# Altium PCB UmTRXv2.PcbDoc (part 24 of 25) (continued)
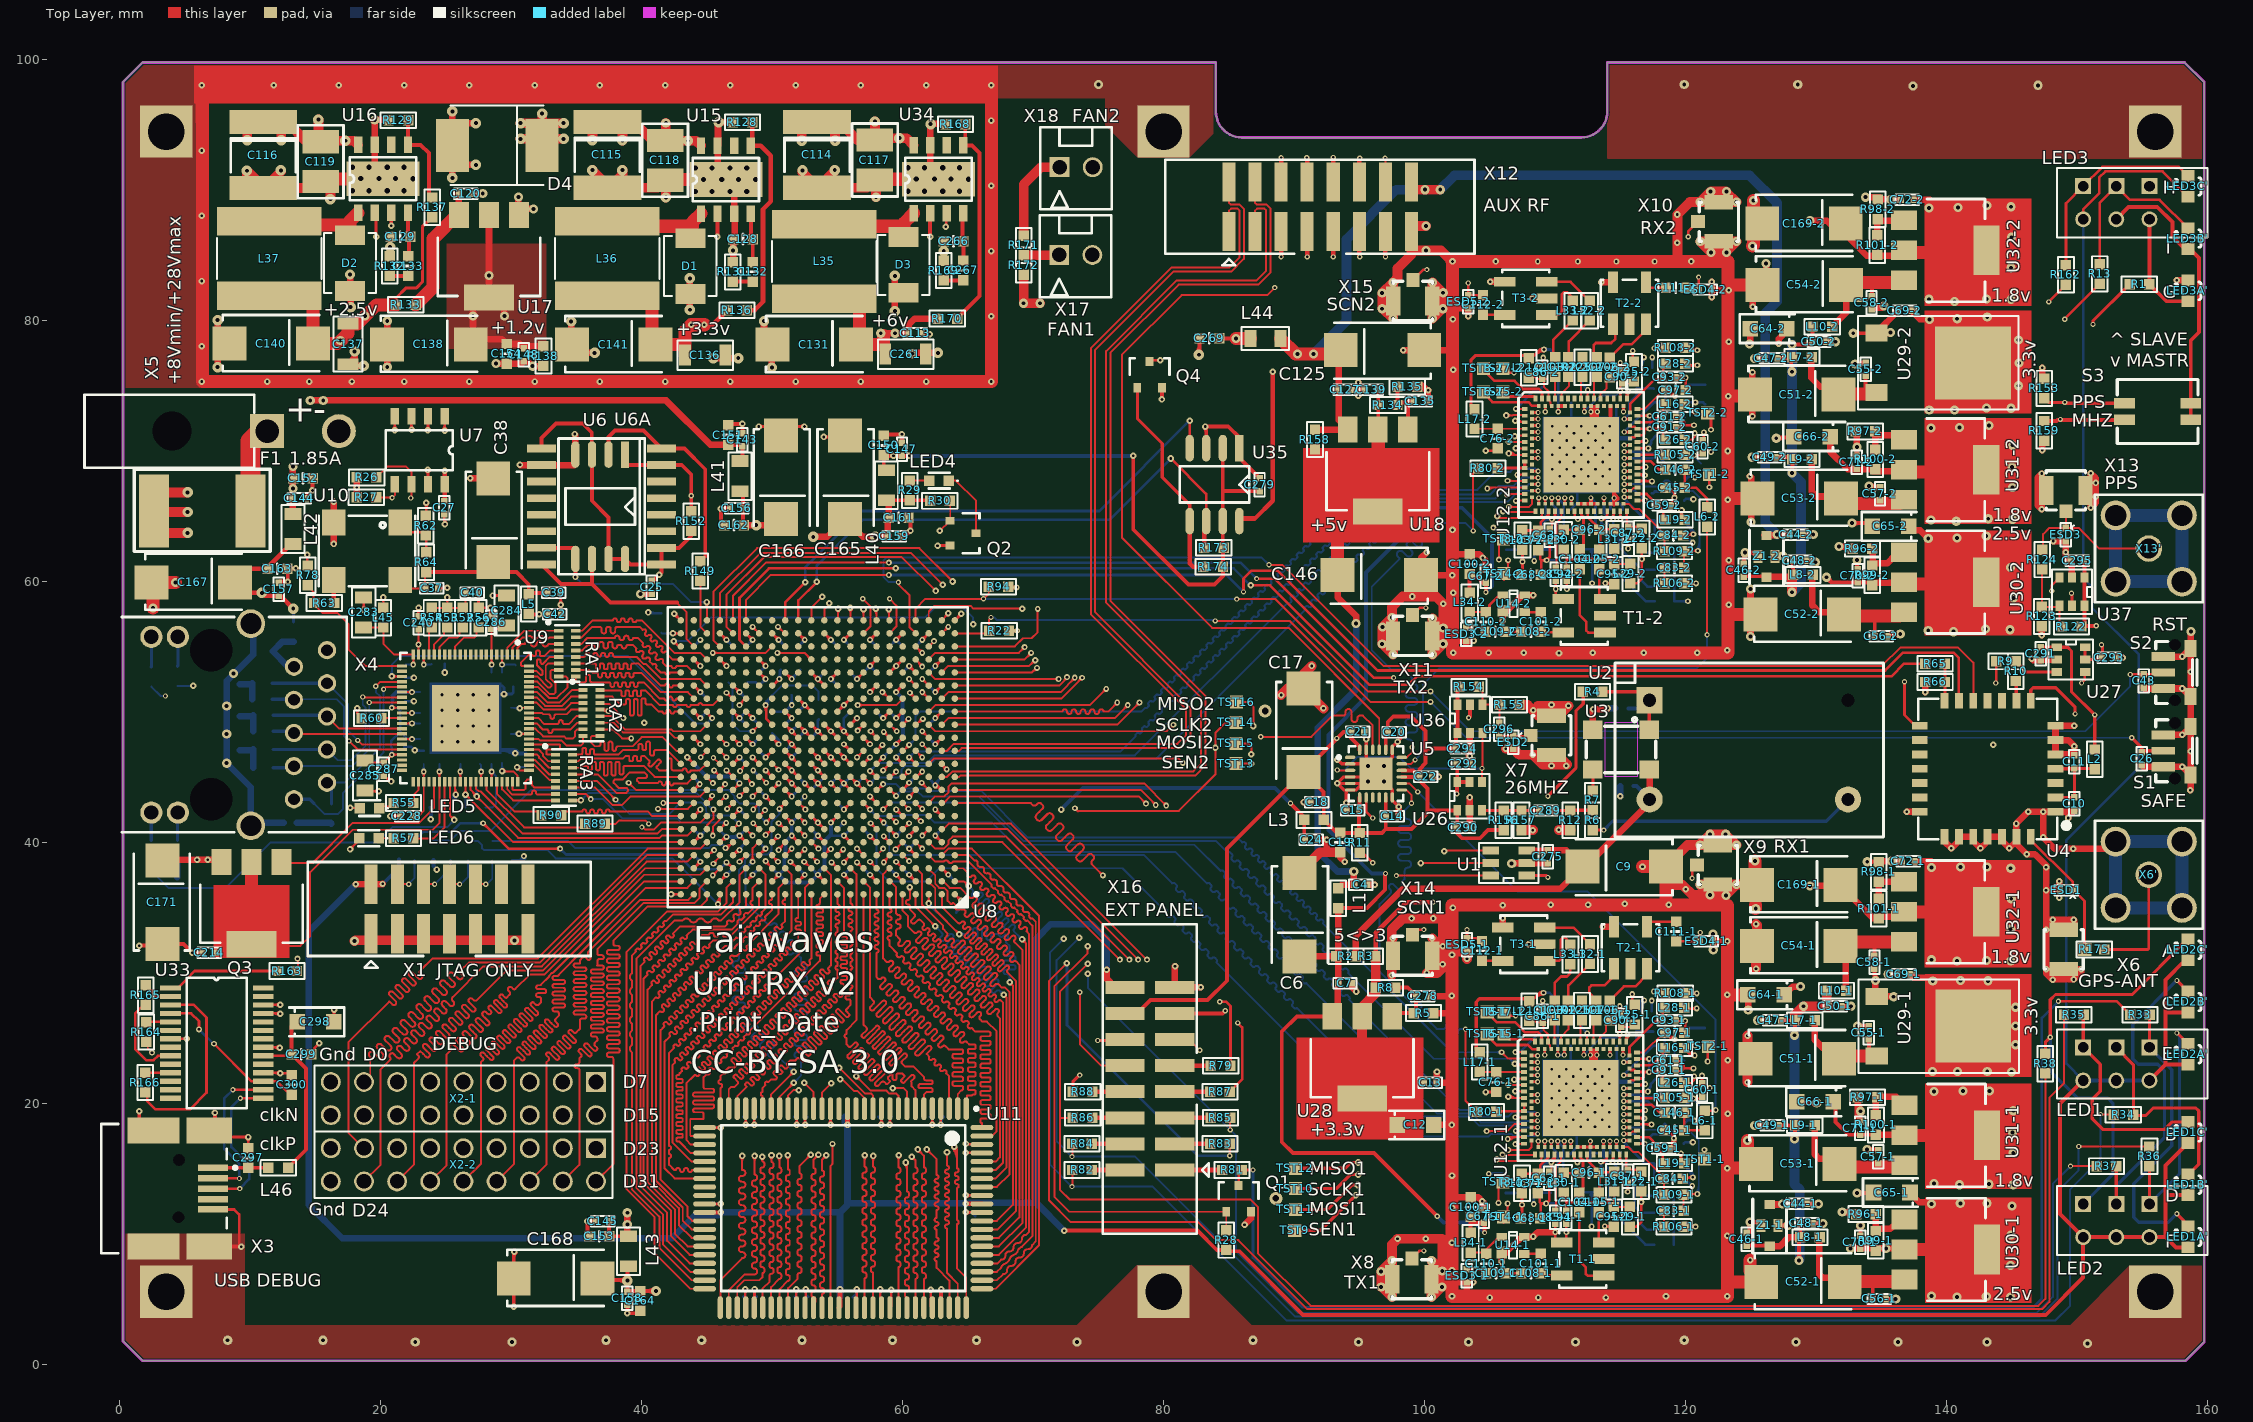
[diagram p0: Top Layer view]
## Nets (pads, with @x,y where several pads share a name; then routed paths per layer and width w, separated by ;. In a path a pad name is that pad's centre, name@x,y a point inside that pad or via, vN(x,y) a via of type N, cw(c..) or ccw(c..) an arc to the next point about the centre after c; other vN are vias at no path point) (continued)
TX2D11: U8.N3 U12-2.32 | length 74.1
  Top Layer w0.15: v2@61.5,48.325 cw(c61.5,47.903) 61.799,48.201 cw(c62.098,48.5) v2@61.675,48.5 ; 61.689,48.299 cw(c61.757,48.553) v2(61.5,48.5) ; 61.701,48.311 ccw(c61.447,48.243) v2(61.5,48.5) ; U8.N3@62,48 v2(61.5,48.5) ; v1(105.572,64.973) 105.584,64.973 105.707,64.85 108.8,64.85 108.996,65.046 U12-2.32@108.996,65.355 ; v2(61.5,48.5) ccw(c61.83,48.591) 61.741,48.26 cw(c61.83,48.591) v2(61.5,48.5) ; v2(61.5,48.5) cw(c61.409,48.17) 61.74,48.259 ccw(c61.409,48.17) v2(61.5,48.5) ; 61.756,48.244 cw(c62.012,48.5) 61.65,48.5 ccw(c62.012,48.5) 61.756,48.244 ; 61.756,48.244 ccw(c61.5,47.988) 61.5,48.35 cw(c61.5,47.988) 61.756,48.244
  MidLayer1 w0.15: v2(61.5,48.5) 79.35,48.5 80.7,49.85 85.35,49.85 85.795,50.295 ccw(c85.781,50.309) 85.795,50.323 cw(c85.922,50.451) 85.795,50.578 85.859,50.641 cw(c85.986,50.514) 86.113,50.641 86.127,50.627 86.141,50.613 ccw(c86.269,50.74) 86.396,50.613 86.46,50.677 ccw(c86.332,50.804) 86.46,50.931 86.445,50.945 86.431,50.96 cw(c86.559,51.087) 86.431,51.214 86.495,51.278 cw(c86.622,51.151) 86.75,51.278 86.764,51.264 86.778,51.25 ccw(c86.905,51.377) 87.032,51.25 87.096,51.313 ccw(c86.969,51.44) 87.096,51.568 87.082,51.582 87.068,51.596 cw(c87.195,51.723) 87.068,51.851 87.131,51.914 cw(c87.259,51.787) 87.386,51.914 87.4,51.9 87.414,51.886 ccw(c87.542,52.013) 87.669,51.886 87.732,51.95 ccw(c87.605,52.077) 87.732,52.204 87.718,52.218 87.704,52.232 cw(c87.831,52.36) 87.704,52.487 87.768,52.551 cw(c87.895,52.423) 88.022,52.551 88.036,52.536 88.051,52.522 ccw(c88.178,52.65) 88.305,52.522 88.369,52.586 ccw(c88.242,52.713) 88.369,52.841 88.355,52.855 88.341,52.869 cw(c88.468,52.996) 88.341,53.123 88.404,53.187 cw(c88.531,53.06) 88.659,53.187 88.673,53.173 88.687,53.159 ccw(c88.814,53.286) 88.942,53.159 89.005,53.222 ccw(c88.878,53.35) 89.005,53.477 88.991,53.491 88.977,53.505 cw(c89.104,53.632) 88.977,53.76 89.041,53.823 cw(c89.168,53.696) 89.295,53.823 89.309,53.809 89.323,53.795 ccw(c89.451,53.922) 89.578,53.795 89.642,53.859 ccw(c89.514,53.986) 89.642,54.113 89.627,54.127 89.613,54.142 cw(c89.741,54.269) 89.613,54.396 89.677,54.46 cw(c89.804,54.333) 89.932,54.46 89.946,54.446 89.96,54.432 ccw(c90.087,54.559) 90.214,54.432 90.278,54.495 ccw(c90.151,54.622) 90.278,54.75 90.264,54.764 90.25,54.778 cw(c90.377,54.905) 90.25,55.033 90.313,55.096 cw(c90.441,54.969) 90.568,55.096 90.582,55.082 90.596,55.068 ccw(c90.723,55.195) 90.851,55.068 90.914,55.132 ccw(c90.787,55.259) 90.914,55.386 90.9,55.4 90.886,55.414 cw(c91.013,55.542) 90.886,55.669 90.95,55.733 cw(c91.077,55.605) 91.204,55.733 91.218,55.718 91.233,55.704 ccw(c91.36,55.832) 91.487,55.704 91.551,55.768 ccw(c91.424,55.895) 91.551,56.023 91.537,56.037 91.523,56.051 cw(c91.65,56.178) 91.523,56.305 91.586,56.369 cw(c91.713,56.242) 91.841,56.369 91.855,56.355 91.869,56.341 ccw(c91.996,56.468) 92.124,56.341 92.187,56.404 ccw(c92.06,56.532) 92.187,56.659 92.173,56.673 92.159,56.687 cw(c92.286,56.814) 92.159,56.942 92.223,57.005 cw(c92.35,56.878) 92.477,57.005 92.491,56.991 92.505,56.977 ccw(c92.633,57.104) 92.76,56.977 92.824,57.041 ccw(c92.696,57.168) 92.824,57.295 92.809,57.309 92.795,57.324 cw(c92.923,57.451) 92.795,57.578 92.859,57.642 cw(c92.986,57.515) 93.113,57.642 93.128,57.628 93.142,57.613 ccw(c93.269,57.741) 93.396,57.613 93.46,57.677 ccw(c93.333,57.804) 93.46,57.932 93.446,57.946 93.432,57.96 cw(c93.559,58.087) 93.432,58.215 93.495,58.278 cw(c93.623,58.151) 93.75,58.278 93.764,58.264 93.778,58.25 ccw(c93.905,58.377) 94.033,58.25 94.096,58.314 ccw(c93.969,58.441) 94.096,58.568 94.082,58.582 94.068,58.596 cw(c94.195,58.724) 94.068,58.851 94.132,58.915 cw(c94.259,58.787) 94.386,58.915 94.4,58.9 94.415,58.886 ccw(c94.542,59.014) 94.669,58.886 94.733,58.95 ccw(c94.605,59.077) 94.733,59.204 94.704,59.233 cw(c94.832,59.36) 94.704,59.487 94.768,59.551 cw(c94.895,59.424) 95.023,59.551 95.037,59.537 95.051,59.523 ccw(c95.178,59.65) 95.306,59.523 95.369,59.586 ccw(c95.242,59.714) 95.369,59.841 95.355,59.855 95.341,59.869 cw(c95.468,59.996) 95.341,60.124 95.405,60.187 cw(c95.532,60.06) 95.659,60.187 95.673,60.173 95.687,60.159 ccw(c95.815,60.286) 95.942,60.159 96.006,60.223 ccw(c95.878,60.35) 96.006,60.477 95.991,60.491 95.977,60.506 cw(c96.105,60.633) 95.977,60.76 96.041,60.824 cw(c96.168,60.696) 96.295,60.824 96.31,60.81 96.324,60.795 ccw(c96.451,60.923) 96.578,60.795 96.642,60.859 ccw(c96.515,60.986) 96.642,61.114 96.628,61.128 96.614,61.142 cw(c96.741,61.269) 96.614,61.397 96.677,61.46 cw(c96.805,61.333) 96.932,61.46 96.96,61.432 ccw(c97.087,61.559) 97.215,61.432 97.278,61.496 ccw(c97.151,61.623) 97.278,61.75 97.264,61.764 97.25,61.778 cw(c97.377,61.906) 97.25,62.033 97.314,62.097 cw(c97.441,61.969) 97.568,62.097 97.582,62.082 97.597,62.068 ccw(c97.724,62.196) 97.851,62.068 97.915,62.132 ccw(c97.787,62.259) 97.915,62.386 97.901,62.401 97.886,62.415 cw(c98.014,62.542) 97.886,62.669 97.95,62.733 cw(c98.077,62.606) 98.205,62.733 98.219,62.719 98.233,62.705 ccw(c98.36,62.832) 98.488,62.705 98.551,62.768 ccw(c98.424,62.896) 98.551,63.023 98.537,63.037 98.523,63.051 cw(c98.65,63.178) 98.523,63.306 98.586,63.369 cw(c98.714,63.242) 98.841,63.369 98.855,63.355 98.869,63.341 ccw(c98.997,63.468) 99.124,63.341 99.188,63.405 ccw(c99.06,63.532) 99.188,63.659 99.159,63.688 cw(c99.287,63.815) 99.159,63.942 99.223,64.006 cw(c99.35,63.878) 99.477,64.006 99.492,63.992 99.506,63.977 ccw(c99.633,64.105) 99.76,63.977 99.824,64.041 ccw(c99.697,64.168) 99.824,64.296 99.81,64.31 99.796,64.324 cw(c99.923,64.451) 99.796,64.578 99.859,64.642 cw(c99.987,64.515) 100.114,64.642 ccw(c100.128,64.656) 100.142,64.642 100.473,64.973 v1(105.572,64.973) ; v2@61.624,48.376 cw(c61.922,48.078) 61.922,48.5 cw(c61.922,48.922) v2@61.624,48.624 ; 61.862,48.5 cw(c61.862,48.862) 61.606,48.606 ccw(c61.862,48.862) 61.862,48.5 ; 61.862,48.5 ccw(c61.862,48.138) 61.606,48.394 cw(c61.862,48.138) 61.862,48.5 ; 105.149,64.973 cw(c105.149,64.551) v1@105.448,64.85 ; 105.149,64.973 ccw(c105.149,65.396) v1@105.448,65.097 ; 105.149,64.973 ccw(c105.149,65.396) v1@105.448,65.097 ; 105.149,64.973 cw(c105.149,64.551) v1@105.448,64.85 ; 105.149,64.973 ccw(c105.149,65.396) v1@105.448,65.097 ; 105.149,64.973 cw(c105.149,64.551) v1@105.448,64.85
TX2IQSEL: U8.M5 U12-2.20 | length 75.6
  Top Layer w0.15: U8.M5@60,47 60.05,47 v2(60.5,47.45) ; 60.299,47.261 cw(c60.553,47.193) v2(60.5,47.45) ; 60.311,47.249 ccw(c60.243,47.503) v2(60.5,47.45) ; v2@60.325,47.45 cw(c59.903,47.45) 60.201,47.151 cw(c60.5,46.853) v2@60.5,47.275 ; 60.244,47.194 cw(c60.5,46.938) 60.5,47.3 ccw(c60.5,46.938) 60.244,47.194 ; 60.244,47.194 ccw(c59.988,47.45) 60.35,47.45 cw(c59.988,47.45) 60.244,47.194 ; v2(60.5,47.45) ccw(c60.591,47.12) 60.26,47.209 cw(c60.591,47.12) v2(60.5,47.45) ; v2(60.5,47.45) cw(c60.17,47.541) 60.259,47.21 ccw(c60.17,47.541) v2(60.5,47.45)
  Top Layer w0.2: U12-2.20@108.246,68.43 v4@108.671,68.43 ; 108.455,68.43 cw(c108.455,68.188) v4@108.625,68.359 ; 108.455,68.43 ccw(c108.455,68.671) v4@108.625,68.501 ; 108.455,68.43 ccw(c108.455,68.671) v4@108.625,68.501 ; 108.455,68.43 cw(c108.455,68.188) v4@108.625,68.359 ; 108.455,68.43 ccw(c108.455,68.671) v4@108.625,68.501 ; 108.455,68.43 cw(c108.455,68.188) v4@108.625,68.359
  Bottom Layer w0.15: v2@60.5,47.625 ccw(c60.5,48.047) 60.799,47.749 ccw(c61.097,47.45) v2@60.675,47.45 ; 81.918,53.759 81.812,53.653 ccw(c81.883,53.583) 81.812,53.512 cw(c81.741,53.441) 81.812,53.371 81.706,53.264 cw(c81.635,53.335) 81.564,53.264 ccw(c81.494,53.194) 81.423,53.264 81.317,53.158 ccw(c81.388,53.088) 81.317,53.017 cw(c81.246,52.946) 81.317,52.876 81.211,52.77 cw(c81.14,52.84) 81.07,52.77 ccw(c80.999,52.699) 80.928,52.77 80.822,52.663 ccw(c80.893,52.593) 80.822,52.522 cw(c80.751,52.451) 80.822,52.381 80.716,52.275 cw(c80.645,52.345) 80.575,52.275 ccw(c80.504,52.204) 80.433,52.275 80.327,52.168 ccw(c80.398,52.098) 80.327,52.027 cw(c80.256,51.956) 80.327,51.886 80.221,51.78 cw(c80.15,51.85) 80.08,51.78 ccw(c80.009,51.709) 79.938,51.78 79.832,51.673 ccw(c79.903,51.603) 79.832,51.532 cw(c79.761,51.461) 79.832,51.391 79.726,51.285 cw(c79.655,51.355) 79.585,51.285 ccw(c79.514,51.214) 79.443,51.285 79.337,51.179 ccw(c79.408,51.108) 79.337,51.037 cw(c79.266,50.966) 79.337,50.896 79.231,50.79 cw(c79.16,50.86) 79.09,50.79 ccw(c79.019,50.719) 78.948,50.79 78.842,50.684 ccw(c78.913,50.613) 78.842,50.542 cw(c78.771,50.471) 78.842,50.401 78.736,50.295 cw(c78.665,50.365) 78.595,50.295 78.3,50 61.35,50 61,49.65 61,47.95 v2(60.5,47.45) ; 81.918,53.759 cw(c81.989,53.689) 82.059,53.759 ccw(c82.13,53.83) 82.201,53.759 82.307,53.866 ccw(c82.236,53.936) 82.307,54.007 cw(c82.378,54.078) 82.307,54.148 82.413,54.254 cw(c82.484,54.184) 82.554,54.254 ccw(c82.625,54.325) 82.696,54.254 82.802,54.36 ccw(c82.731,54.431) 82.802,54.502 cw(c82.873,54.573) 82.802,54.643 82.908,54.749 cw(c82.979,54.679) 83.049,54.749 ccw(c83.12,54.82) 83.191,54.749 ; 83.191,54.749 83.297,54.855 ; 83.297,54.855 ccw(c83.226,54.926) 83.297,54.997 cw(c83.368,55.068) 83.297,55.138 83.403,55.244 cw(c83.474,55.174) 83.544,55.244 ccw(c83.615,55.315) 83.686,55.244 83.792,55.35 ccw(c83.721,55.421) 83.792,55.492 cw(c83.863,55.563) 83.792,55.633 83.898,55.739 cw(c83.969,55.669) 84.039,55.739 ccw(c84.11,55.81) 84.181,55.739 84.287,55.845 ccw(c84.216,55.916) 84.287,55.987 cw(c84.358,56.058) 84.287,56.128 ; 84.287,56.128 84.393,56.234 cw(c84.464,56.164) 84.534,56.234 ccw(c84.605,56.305) 84.676,56.234 84.782,56.34 ccw(c84.711,56.411) 84.782,56.482 cw(c84.853,56.553) 84.782,56.623 84.888,56.729 cw(c84.959,56.659) 85.029,56.729 ccw(c85.1,56.8) 85.171,56.729 85.277,56.835 ccw(c85.206,56.906) 85.277,56.977 cw(c85.347,57.047) 85.277,57.118 85.383,57.224 cw(c85.454,57.154) 85.524,57.224 ccw(c85.595,57.295) 85.666,57.224 85.772,57.33 ccw(c85.701,57.401) 85.772,57.472 cw(c85.842,57.542) 85.772,57.613 85.878,57.719 cw(c85.949,57.649) 86.019,57.719 ccw(c86.09,57.79) 86.161,57.719 86.267,57.825 ccw(c86.196,57.896) 86.267,57.967 cw(c86.337,58.037) 86.267,58.108 86.373,58.214 cw(c86.444,58.144) 86.514,58.214 ccw(c86.585,58.285) 86.656,58.214 86.762,58.32 ccw(c86.691,58.391) 86.762,58.462 cw(c86.832,58.532) 86.762,58.603 86.868,58.709 cw(c86.938,58.638) 87.009,58.709 ccw(c87.08,58.78) 87.151,58.709 87.257,58.815 ccw(c87.186,58.886) 87.257,58.957 cw(c87.327,59.027) 87.257,59.098 87.363,59.204 cw(c87.433,59.133) 87.504,59.204 ccw(c87.575,59.275) 87.646,59.204 87.752,59.31 ccw(c87.681,59.381) 87.752,59.452 cw(c87.822,59.522) 87.752,59.593 87.858,59.699 cw(c87.928,59.628) 87.999,59.699 ccw(c88.07,59.77) 88.141,59.699 88.247,59.805 ccw(c88.176,59.876) 88.247,59.947 cw(c88.317,60.017) 88.247,60.088 88.353,60.194 cw(c88.423,60.123) 88.494,60.194 ccw(c88.565,60.265) 88.636,60.194 88.742,60.3 ccw(c88.671,60.371) 88.742,60.442 cw(c88.812,60.512) 88.742,60.583 88.848,60.689 cw(c88.918,60.618) 88.989,60.689 ccw(c89.06,60.76) 89.13,60.689 89.237,60.795 ccw(c89.166,60.866) 89.237,60.937 cw(c89.307,61.007) 89.237,61.078 89.343,61.184 cw(c89.413,61.113) 89.484,61.184 ccw(c89.555,61.255) 89.625,61.184 89.732,61.29 ccw(c89.661,61.361) 89.732,61.432 cw(c89.802,61.502) 89.732,61.573 89.838,61.679 cw(c89.908,61.608) 89.979,61.679 ccw(c90.05,61.75) 90.12,61.679 90.227,61.785 ccw(c90.156,61.856) 90.227,61.927 cw(c90.297,61.997) 90.226,62.068 90.333,62.174 cw(c90.403,62.103) 90.474,62.174 ccw(c90.545,62.245) 90.615,62.174 90.721,62.28 ccw(c90.651,62.351) 90.721,62.421 cw(c90.792,62.492) 90.721,62.563 90.828,62.669 cw(c90.898,62.598) 90.969,62.669 ccw(c91.04,62.74) 91.11,62.669 91.216,62.775 ccw(c91.146,62.846) 91.216,62.916 cw(c91.287,62.987) 91.216,63.058 91.323,63.164 cw(c91.393,63.093) 91.464,63.164 ccw(c91.535,63.235) 91.605,63.164 91.711,63.27 ccw(c91.641,63.341) 91.711,63.411 cw(c91.782,63.482) 91.711,63.553 91.818,63.659 cw(c91.888,63.588) 91.959,63.659 ccw(c92.03,63.73) 92.1,63.659 92.206,63.765 ccw(c92.136,63.836) 92.206,63.906 cw(c92.277,63.977) 92.206,64.048 92.312,64.154 cw(c92.383,64.083) 92.454,64.154 ccw(c92.525,64.225) 92.595,64.154 92.701,64.26 ccw(c92.631,64.331) 92.701,64.401 cw(c92.772,64.472) 92.701,64.543 92.807,64.649 cw(c92.878,64.578) 92.949,64.649 ccw(c93.02,64.72) 93.09,64.649 93.196,64.755 ccw(c93.126,64.826) 93.196,64.896 cw(c93.267,64.967) 93.196,65.038 93.302,65.144 cw(c93.373,65.073) 93.444,65.144 ccw(c93.515,65.215) 93.585,65.144 93.691,65.25 ccw(c93.621,65.321) 93.691,65.391 cw(c93.762,65.462) 93.691,65.533 93.797,65.639 cw(c93.868,65.568) 93.939,65.639 ccw(c94.01,65.71) 94.08,65.639 94.186,65.745 ccw(c94.116,65.816) 94.186,65.886 cw(c94.257,65.957) 94.186,66.028 94.292,66.134 cw(c94.363,66.063) 94.434,66.134 ccw(c94.505,66.205) 94.575,66.134 94.681,66.24 ccw(c94.611,66.311) 94.681,66.381 cw(c94.752,66.452) 94.681,66.523 94.787,66.629 cw(c94.858,66.558) 94.929,66.629 95.3,67 104.05,67 105.425,68.375 106.572,68.375 106.809,68.612 107.45,68.612 ; v2(60.5,47.45) ccw(c60.409,47.78) 60.74,47.691 cw(c60.409,47.78) v2(60.5,47.45) ; v2(60.5,47.45) cw(c60.83,47.359) 60.741,47.69 ccw(c60.83,47.359) v2(60.5,47.45) ; 60.756,47.706 cw(c60.5,47.962) 60.5,47.6 ccw(c60.5,47.962) 60.756,47.706 ; 60.756,47.706 ccw(c61.012,47.45) 60.65,47.45 cw(c61.012,47.45) 60.756,47.706
  Bottom Layer w0.2: 107.45,68.612 108.448,68.612 ; v4(108.696,68.43) 108.63,68.43 108.448,68.612 ; 108.448,68.612 ccw(c108.652,68.816) v4@108.685,68.529 ; 108.448,68.612 ccw(c108.652,68.816) v4@108.685,68.529 ; 108.448,68.612 ccw(c108.652,68.816) v4@108.685,68.529
TX-1: C109-1.2 C110-1.2 ESD3-1.2 X8.1 | length 7.3
  Top Layer w0.2: X8.1@99.025,8.1 99.6,8.675 v4(99.95,8.675) ; ESD3-1.2@103.225,7.275 103.275,7.225 v4(103.85,7.225) 104.55,7.225 C110-1.2@104.725,7.05
  Mid-Layer 2 w0.2: v4@99.975,8.7 101.325,8.7 102.8,7.225 v4(103.85,7.225)
  Bottom Layer w0.2: v4(99.95,8.675) v4@99.975,8.7
TX-2: C109-2.2 C110-2.2 ESD3-2.2 X11.1 | length 7.2
  Top Layer w0.2: X11.1@99.075,57.4 99.625,57.95 v4(100.1,57.95) ; ESD3-2.2@103.2,56.425 v4(103.85,56.425) 104.375,56.425 C110-2.2@104.675,56.125
  Mid-Layer 2 w0.2: v4(100.1,57.95) 100.925,57.95 102.45,56.425 v4(103.85,56.425)
TXD1: R164.1 U8.T18 | length 62.2
  Top Layer w0.15: R164.1@2.15,24.75 2.15,24.2 v2(2.475,23.875) ; U8.T18@46.95,51 v2(46.5,51.45) ; v2@46.5,51.3 cw(c46.5,50.938) 46.756,51.194 ; v2@46.5,51.3 cw(c46.5,50.938) 46.756,51.194 ; v2@46.5,51.3 cw(c46.5,50.938) 46.756,51.194 ; v2(46.5,51.45) cw(c46.447,51.193) 46.701,51.261 ; v2(46.5,51.45) ccw(c46.757,51.503) 46.689,51.249 ; v2(46.5,51.45) ccw(c46.757,51.503) 46.689,51.249 ; v2(46.5,51.45) ccw(c46.757,51.503) 46.689,51.249 ; v2(46.5,51.45) cw(c46.447,51.193) 46.701,51.261 ; v2(46.5,51.45) cw(c46.447,51.193) 46.701,51.261 ; v2@46.65,51.45 ccw(c47.012,51.45) 46.756,51.194 ; v2@46.65,51.45 ccw(c47.012,51.45) 46.756,51.194 ; v2@46.65,51.45 ccw(c47.012,51.45) 46.756,51.194
  Mid-Layer 2 w0.15: v2(2.475,23.875) 3.175,23.875 19.05,39.75 29.596,39.75 40.921,51.075 46.125,51.075 v2(46.5,51.45) ; 46.244,51.194 cw(c46.5,50.938) v2@46.5,51.3 ; 46.244,51.194 ccw(c45.988,51.45) v2@46.35,51.45 ; 46.244,51.194 ccw(c45.988,51.45) v2@46.35,51.45 ; 46.244,51.194 cw(c46.5,50.938) v2@46.5,51.3 ; 46.244,51.194 ccw(c45.988,51.45) v2@46.35,51.45 ; 46.244,51.194 cw(c46.5,50.938) v2@46.5,51.3
TXD2: R65.1 U8.Y17 | length 100.1
  Top Layer w0.2: U8.Y17@48,55 47.5,55.5 47.5,58.725 49.75,60.975 v1(59.475,60.975) ; v1(86.675,59.675) 88.15,59.675 95.75,52.075 98.775,52.075 99.4,52.7 135.775,52.7 136.75,53.675 R65.1@138.375,53.675
  Bottom Layer w0.2: v1(59.475,60.975) 85.375,60.975 v1(86.675,59.675)
pads on no net: S1.0 S2.0 T1-1.2 T1-2.2 T2-1.2 T2-2.2 U4.3 U4.10 U4.11 U4.16 U4.17 U4.18 U4.19 U4.20 U5.1 U5.9 U5.10 U6A.3 U6A.4 U6A.5 U6A.6 U6A.11 U6A.12 U6A.13 U6A.14 U8.AA10 U8.AA12 U8.AA21 U8.AB5 U8.AB15 U8.AB16 U8.AB21 U8.E8 U8.E10 U8.F8 U8.F9 U8.F10 U8.F12 U8.G1 U8.G3 U8.G8 U8.G9 U8.G11 U8.G17 U8.H10 U8.H11 U8.H12 U8.H17 U8.K3 U8.L1 U8.M6 U8.M16 U8.M17 U8.M18 U8.M21 U8.N1 U8.N4 U8.N16 U8.N20 U8.P7 U8.P17 U8.P18 U8.P19 U8.P21 U8.P22 U8.R4 U8.R7 U8.R8 U8.R9 U8.R11 U8.R13 U8.R15 U8.R16 U8.R19 U8.T7 U8.T8 U8.T10 U8.T11 U8.T12 U8.T14 U8.T15 U8.T16 U8.T20 U8.U6 U8.U8 U8.U9 U8.U10 U8.U12 U8.U13 U8.U14 U8.U16 U8.U17 U8.U19 U8.V5 U8.V7 U8.V9 U8.V11 U8.V13 U8.V15 U8.V17 U8.V18 U8.V19 U8.V20 U8.W6 U8.W8 U8.W9 U8.W10 U8.W11 U8.W13 U8.W14 U8.W15 U8.W17 U8.W18 U8.Y2 U8.Y5 U8.Y6 U8.Y7 U8.Y8 U8.Y9 U8.Y10 U8.Y11 U8.Y12 U8.Y13 U8.Y14 U8.Y16 U8.Y18 U8.Y20 U9.5 U9.7 U9.8 U9.9 U9.10 U9.11 U9.12 U9.14 U9.15 U9.23 U9.40 U9.41 U9.42 U9.43 U9.46 U11.14 U11.16 U11.38 U11.39 U11.66 U12-1.12 U12-1.18 U12-1.40 U12-1.48 U12-1.50 U12-1.91 U12-1.92 U12-1.94 U12-1.95 U12-1.103 U12-1.104 U12-1.105 U12-1.106 U12-2.12 U12-2.18 U12-2.40 U12-2.48 U12-2.50 U12-2.91 U12-2.92 U12-2.94 U12-2.95 U12-2.103 U12-2.104 U12-2.105 U12-2.106 U15. U15.6 U16. U16.6 U33.6 U33.8 U33.10 U33.12 U33.13 U33.14 U33.19 U33.22 U33.23 U33.24 U33.27 U33.28 U34. U34.6 X1.12 X1.14 X3.MH1 X3.MH2 X3.x X4.0 X5.0

## Polygon pours and split planes (outlines as drawn)
+3,3VFPGA on MidLayer1 "Mid1+3.3V_FPGA" (solid, remove dead copper, pour order 25): 16.9,71.75 18.4,73.25 38.7,73.25 44.95,67 65.25,67.05 66.25,65.95 66.3,63.05 67.8,61.45 69.8,59.25 69.75,54.95 66.295,52.25 58.925,46.275 58.95,39.55 57.109,38.15 37.8,38.15 37.4,33.1 17.6,33.1 16.9,33.8
GND on MidLayer1 "GND-mid4" (solid, pour order 24): -0.125,0.05 159.875,0.05 159.875,99.55 -0.125,99.55
NetC214_2 on Mid-Layer 2 "Top" (solid, remove dead copper, pour order 26): 21.45,59.5 26.45,59.5 29.75,56.2 31.3,54.65 31.3,49.45 31.3,45.2 30.55,44.45 30.2,44.1 23.75,44.1 22.75,44.1 21.8,45.05 20.25,46.6 20.25,57.95 20.25,58.25 21.5,59.5
GND on Mid-Layer 2 "GND-mid2" (solid, pour order 20): -0.125,0.05 159.875,0.05 159.875,99.55 -0.125,99.55
+1,2VFPGA on Top Layer "+1,2FPGA" (solid, pour order 23): 25.05,85.85 25.05,77.799 32.645,77.799 32.689,77.75 32.7,77.762 32.7,85.85
GND on Top Layer "GND" (solid, pour order 28): 159.75,2.975 159.75,1.7 158.3,0.25 1.75,0.25 0.25,1.75 0.25,3 0.25,10.025 0.275,10 9.6,10 9.6,3.027 9.55,2.977
GND on Top Layer "GND" (solid, pour order 30): 0.25,98.25 0.5,98 6.3,98 6.3,74.8 6.275,74.775 6.225,74.825 0.25,74.825
GND on Top Layer "GND" (solid, pour order 34): 77.925,7.575 82.075,7.575 82.1,7.6 87.125,2.575 87.125,0.45 73.325,0.45 73.325,2.975
GND on Top Layer "GND" (solid, pour order 36): 78,92.45 81.975,92.45 83.8,94.275 83.8,99.55 75.525,99.55 75.525,94.925
GND on Top Layer "GND" (solid, pour order 38): 159.75,1.7 159.75,7.525 159.725,7.55 154,7.55 154,7.525 149.425,2.95 149.375,2.9 149.375,1.7
GND on Top Layer "GND" (solid, pour order 22): 0.25,96.925 0.25,98.075 0.25,98.25 1.75,99.75 84,99.75 84,97.025 84.025,97
GND on Top Layer "GND" (solid, pour order 32): 114,99.75 114,92.425 114.05,92.375 159.75,92.375 159.75,98.25 158.25,99.75
GND on Bottom Layer "GND" (solid, pour order 27): 159.75,2.975 159.75,1.7 158.3,0.25 1.75,0.25 0.25,1.75 0.25,3 0.25,10.025 0.275,10 9.6,10 9.6,3.027 9.55,2.977
GND on Bottom Layer "GND" (solid, pour order 33): 77.925,7.575 82.075,7.575 82.1,7.6 87.125,2.575 87.125,0.45 73.325,0.45 73.325,2.975
GND on Bottom Layer "GND" (solid, pour order 37): 159.75,1.7 159.75,7.525 159.725,7.55 154,7.55 154,7.525 149.425,2.95 149.375,2.9 149.375,1.7
GND on Bottom Layer "GND" (solid, pour order 29): 0.25,98.25 3.02,98 67.275,98 67.275,74.8 66.998,74.775 66.444,74.825 0.25,74.825
GND on Bottom Layer "GND" (solid, pour order 21): 0.25,96.925 0.25,98.075 0.25,98.25 1.75,99.75 84,99.75 84,97.025 84.025,97
GND on Bottom Layer "GND" (solid, pour order 35): 78,92.45 81.975,92.45 83.8,94.275 83.8,99.55 75.525,99.55 75.525,94.925
GND on Bottom Layer "GND" (solid, pour order 31): 114,99.75 114,92.425 114.05,92.375 159.75,92.375 159.75,98.25 158.25,99.75
GND on GND (split plane): 159.548,98.166 159.548,1.784 158.216,0.452 1.834,0.452 0.452,1.834 0.452,98.166 1.834,99.548 83.798,99.548 83.798,96 83.806,95.808 83.831,95.618 83.873,95.43 83.931,95.247 84.004,95.069 84.093,94.899 84.196,94.737 84.313,94.585 84.443,94.443 84.585,94.313 84.737,94.196 84.899,94.093 85.069,94.004 85.247,93.931 85.43,93.873 85.618,93.831 85.808,93.806 86,93.798 112,93.798 112.192,93.806 112.382,93.831 112.57,93.873 112.753,93.931 112.931,94.004 113.101,94.093 113.263,94.196 113.415,94.313 113.557,94.443 113.687,94.585 113.804,94.737 113.907,94.899 113.996,95.069 114.069,95.247 114.127,95.43 114.169,95.618 114.194,95.808 114.202,96 114.202,99.548 158.166,99.548
+1,8VALMS-2 on InternalPlane2 (split plane): 146.199,89.187 146.199,81.001 136.45,81.001 136.411,80.996 136.385,80.985 136.374,80.981 136.343,80.957 136.002,80.616 119.825,80.616 119.825,87.463 122.075,89.712 145.674,89.712
+1,8VDLMS-2 on InternalPlane2 (split plane): 121.149,73.882 121.149,72.613 121.074,72.538 120.389,72.538 120.349,72.533 120.313,72.518 120.282,72.494 120.022,72.234 119.998,72.203 119.983,72.166 119.977,72.127 119.977,70.921 119.983,70.882 119.998,70.846 120.022,70.814 120.38,70.456 120.412,70.432 120.448,70.417 120.487,70.412 123.463,70.412 123.502,70.417 123.538,70.432 123.57,70.456 125.277,72.163 138.114,72.163 138.153,72.168 138.175,72.177 138.19,72.183 138.221,72.207 138.413,72.399 146.199,72.399 146.199,64.001 133.51,64.001 133.48,64.024 133.444,64.039 133.404,64.044 132.401,64.044 132.239,64.207 132.208,64.231 132.192,64.237 132.171,64.246 132.132,64.251 124.958,64.251 124.958,65.108 124.953,65.147 124.938,65.184 124.914,65.215 123.172,66.957 123.14,66.981 123.125,66.987 123.104,66.996 123.065,67.001 120.25,67.001 120.211,66.996 120.174,66.981 120.143,66.957 120.119,66.926 120.104,66.889 120.099,66.85 120.099,64.451 118.412,62.764 116.808,62.764 116.769,62.759 116.733,62.744 116.701,62.72 114.933,60.952 110.73,60.952 110.691,60.947 110.654,60.932 110.623,60.907 109.129,59.414 105.633,59.414 105.619,59.447 105.595,59.478 104.73,60.343 104.73,61.942 106.563,63.774 115.11,63.774 115.149,63.779 115.186,63.794 115.217,63.818 116.251,64.852 116.275,64.883 116.29,64.919 116.295,64.959 116.295,73.581 117.202,74.488 120.542,74.488
+2,5VLMS-2 on InternalPlane2 (split plane): 132.232,63.786 132.263,63.762 132.3,63.747 132.339,63.742 133.364,63.742 133.394,63.719 133.43,63.704 133.469,63.699 146.199,63.699 146.199,56.313 145.229,55.343 124.164,55.343 124.164,62.623 124.914,63.373 124.938,63.404 124.953,63.441 124.958,63.48 124.958,63.949 132.069,63.949
+3,3VLMS-2 on InternalPlane2 (split plane): 146.199,72.701 138.35,72.701 138.311,72.696 138.274,72.681 138.243,72.657 138.052,72.466 125.214,72.466 125.175,72.46 125.154,72.452 125.139,72.445 125.107,72.421 123.4,70.714 120.55,70.714 120.28,70.984 120.28,72.064 120.451,72.236 121.137,72.236 121.176,72.241 121.197,72.25 121.212,72.256 121.244,72.28 121.407,72.443 121.431,72.474 121.446,72.511 121.451,72.55 121.451,73.944 121.446,73.983 121.437,74.005 121.431,74.02 121.407,74.051 120.712,74.746 120.681,74.77 120.644,74.785 120.605,74.79 117.139,74.79 117.1,74.785 117.079,74.776 117.063,74.77 117.032,74.746 116.081,73.795 108.319,73.795 108.28,73.79 108.258,73.781 108.243,73.775 108.212,73.751 107.743,73.282 107.719,73.251 107.704,73.214 107.699,73.175 107.699,64.076 106.5,64.076 106.461,64.071 106.424,64.056 106.393,64.032 104.472,62.111 104.448,62.08 104.433,62.043 104.428,62.004 104.428,60.28 104.433,60.241 104.448,60.205 104.472,60.173 105.362,59.284 105.359,59.263 105.364,59.224 105.379,59.187 105.403,59.156 105.435,59.132 105.471,59.117 105.51,59.112 109.192,59.112 109.231,59.117 109.268,59.132 109.299,59.156 110.792,60.649 114.996,60.649 115.035,60.654 115.072,60.669 115.103,60.694 116.871,62.461 118.475,62.461 118.514,62.467 118.551,62.482 118.582,62.506 120.357,64.281 120.381,64.312 120.396,64.349 120.401,64.388 120.401,66.699 123.002,66.699 124.655,65.045 124.655,64.306 124.655,64.1 124.655,63.542 123.906,62.793 123.882,62.761 123.866,62.725 123.861,62.686 123.861,55.343 103.884,55.343 103.02,56.207 103.02,72.692 110.641,80.313 136.065,80.313 136.104,80.319 136.125,80.327 136.14,80.334 136.172,80.358 136.513,80.699 146.199,80.699
GND on InternalPlane2 (split plane): 115.993,65.021 115.048,64.076 108.001,64.076 108.001,73.112 108.382,73.493 115.993,73.493
+1,8VALMS-1 on InternalPlane2 (split plane): 145.749,38.237 145.749,30.301 132.673,30.301 132.634,30.296 132.597,30.281 132.566,30.257 132.133,29.824 119.786,29.824 119.786,36.671 122.036,38.921 145.065,38.921
+1,8VDLMS-1 on InternalPlane2 (split plane): 121.304,24.396 123.266,22.434 123.266,21.522 123.271,21.483 123.286,21.447 123.31,21.415 123.342,21.391 123.378,21.376 123.417,21.371 131.578,21.371 131.618,21.376 131.639,21.385 131.654,21.391 131.685,21.415 131.869,21.599 145.749,21.599 145.749,13.151 134.513,13.151 133.907,13.757 133.876,13.781 133.839,13.796 133.8,13.801 124.125,13.801 124.125,15.126 124.12,15.166 124.105,15.202 124.081,15.233 124.067,15.244 124.057,15.257 124.026,15.281 123.989,15.296 123.95,15.301 120.265,15.301 120.226,15.296 120.189,15.281 120.158,15.257 118.373,13.472 116.769,13.472 116.73,13.467 116.694,13.452 116.662,13.428 114.894,11.66 110.691,11.66 110.652,11.655 110.615,11.64 110.584,11.616 109.594,10.626 107.683,10.626 107.076,11.233 107.076,13.883 107.717,14.524 115.113,14.524 115.152,14.529 115.174,14.538 115.189,14.544 115.22,14.568 116.212,15.56 116.236,15.591 116.251,15.628 116.256,15.667 116.256,22.967 116.881,23.592 116.882,23.593 116.883,23.594 118.485,25.196 120.503,25.196
GND on InternalPlane2 (split plane): 116.561,23.7 115.998,23.137 115.974,23.106 115.959,23.069 115.954,23.03 115.954,15.729 115.262,15.037 115.05,14.826 107.901,14.826 107.901,23.687 108.713,24.499 115.762,24.499
+2,5VLMS-1 on InternalPlane2 (split plane): 134.343,12.893 134.374,12.869 134.411,12.854 134.45,12.849 145.749,12.849 145.749,5.213 145.087,4.551 133.823,4.551 132.368,6.007 132.336,6.031 132.3,6.046 132.261,6.051 124.125,6.051 124.125,13.394 124.125,13.499 133.737,13.499
+12V on InternalPlane2 (split plane): 60.923,95.921 60.923,93.504 60.471,93.052 14.475,93.052 14.41,93.044 14.349,93.018 14.297,92.978 10.647,89.328 10.607,89.276 10.581,89.215 10.573,89.15 10.573,74.204 9.422,73.053 9.382,73.001 9.356,72.94 9.348,72.875 9.348,62.504 8.796,61.952 4.904,61.952 3.852,63.004 3.852,67.871 7.028,71.047 7.046,71.069 7.068,71.099 7.094,71.16 7.102,71.225 7.102,74.321 8.278,75.497 8.296,75.519 8.318,75.549 8.344,75.61 8.352,75.675 8.352,94.096 10.704,96.448 60.396,96.448